# KiCad board Revision01.kicad_pcb (continued)
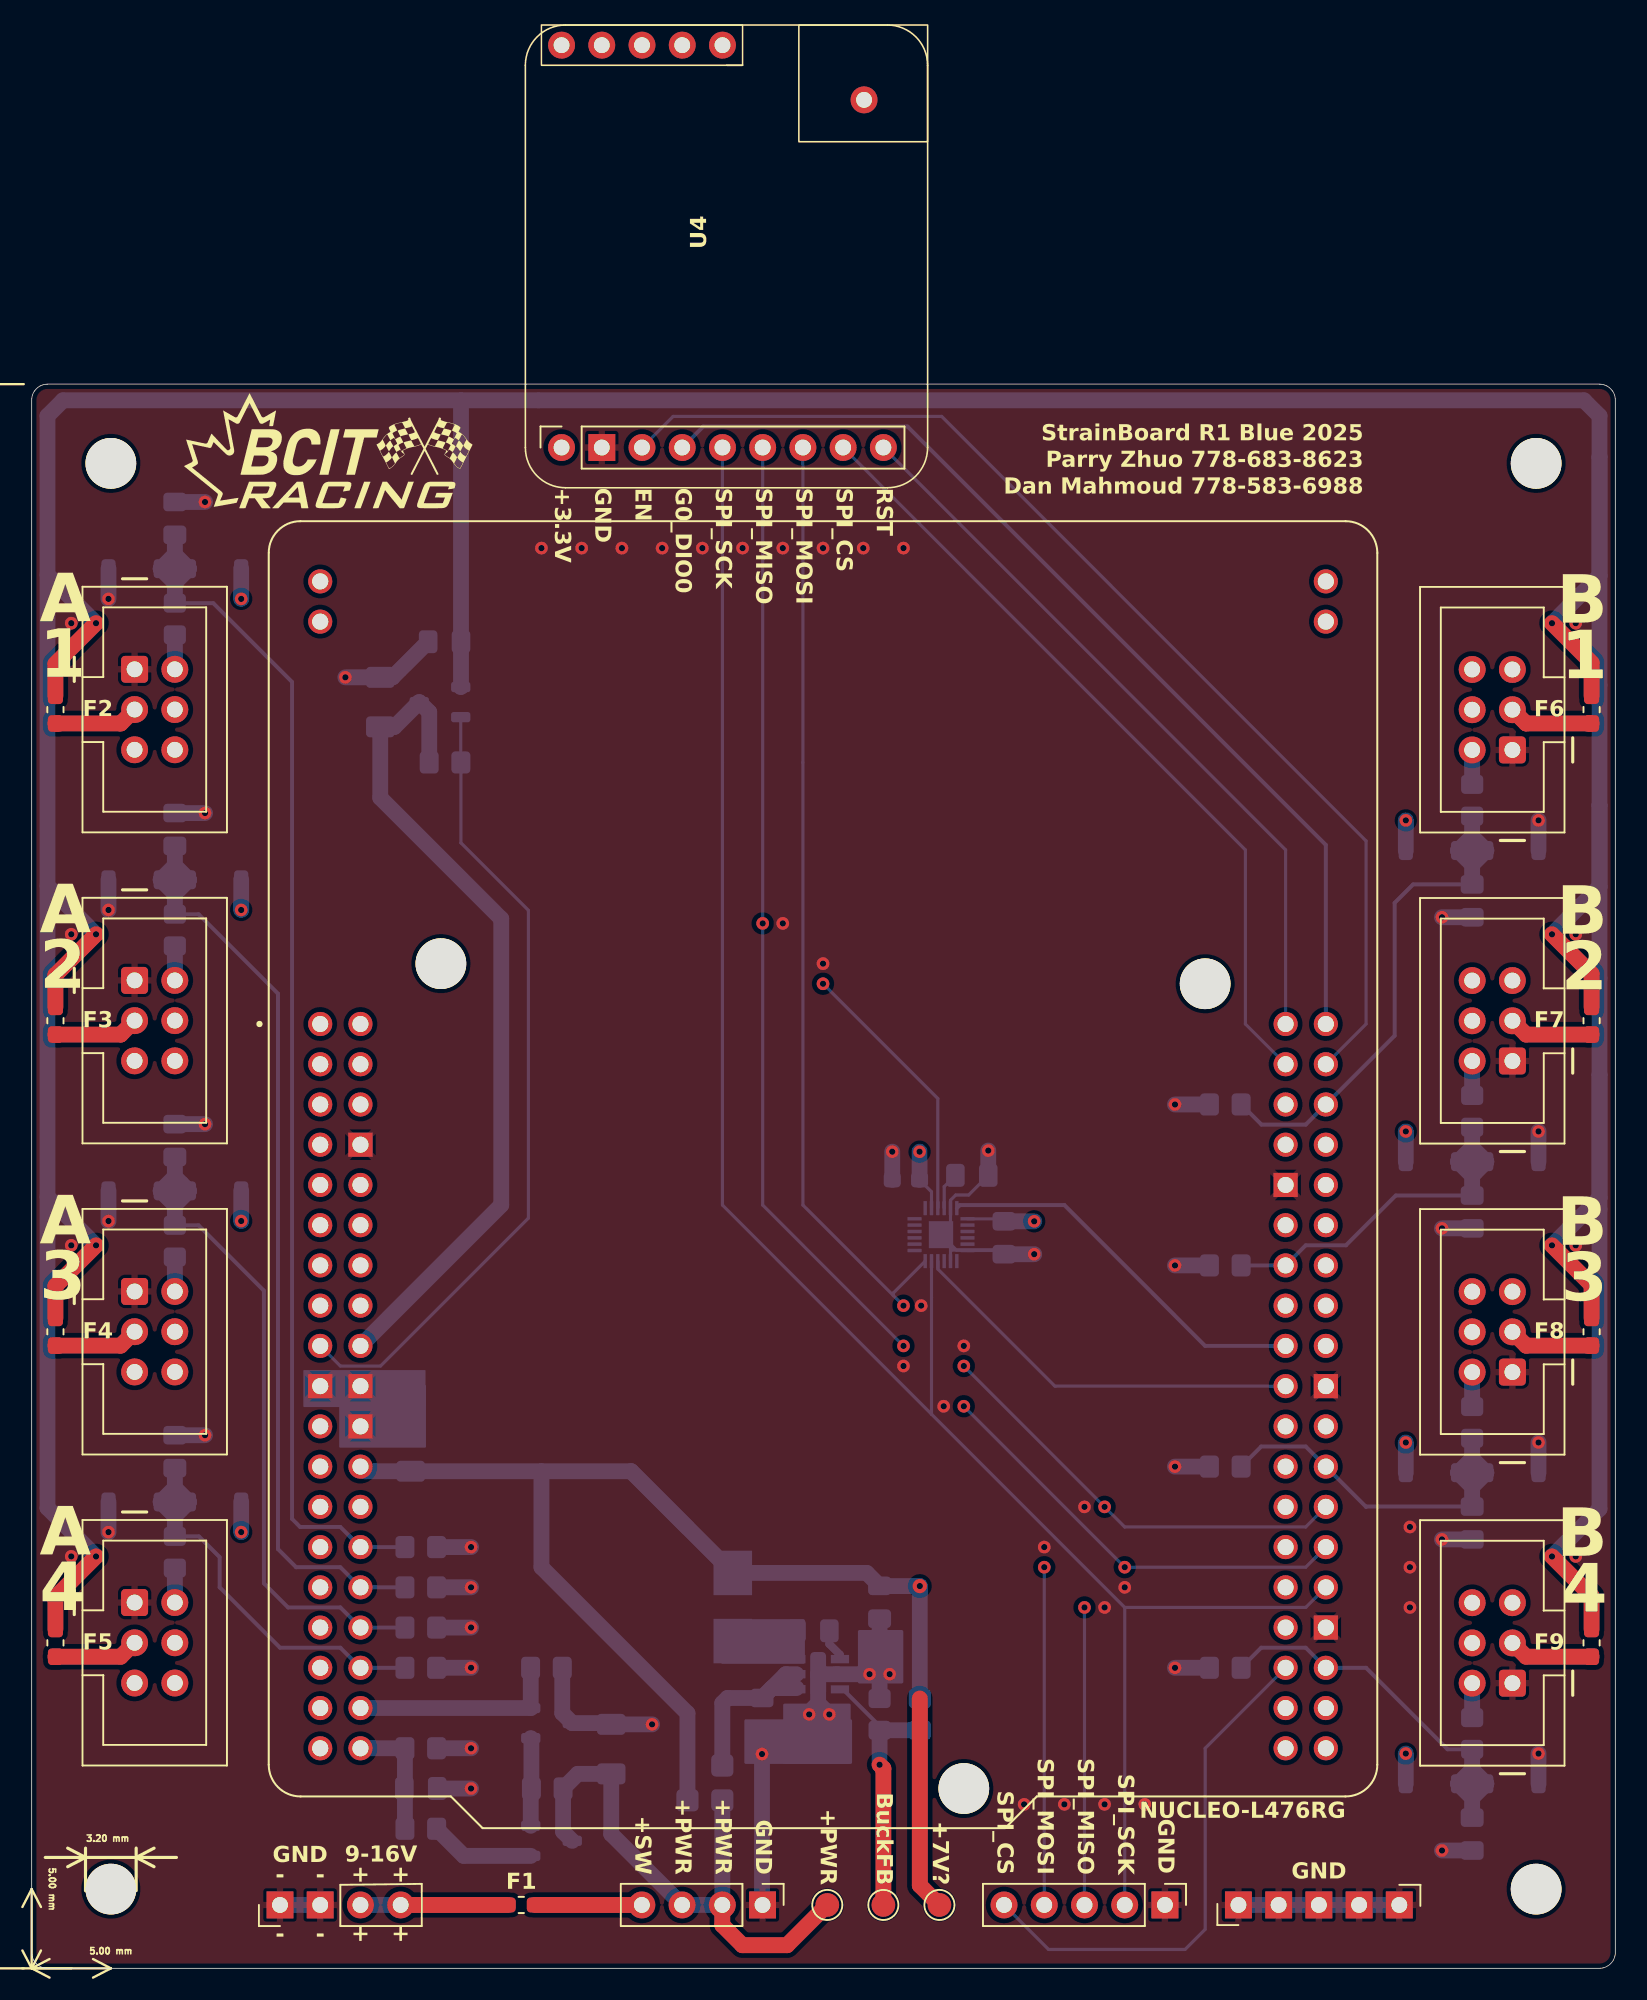
[diagram p0: board, top side]
## Library data of the parts (continued)
J20 = -: Description: Generic connector, single row, 01x04, script generated (kicad-library-utils/schlib/autogen/connector/); ki_fp_filters: Connector*:*_1x??_*
L1 = -: Datasheet: https://search.murata.co.jp/Ceramy/image/img/P02/JELF243A-9153.pdf; Description: FIXED IND 150UH 330MA 2.64OHM SM; Manufacturer: Murata Electronics; Manufacturer Part Number: LQH44PH151MPRL; Distributor Part Number: 490-LQH44PH151MPRLCT-ND - Cut Tape (CT); Detailed Description: 150 µH Shielded Drum Core, Wirewound Inductor 330 mA 2.64Ohm Max 1616 (4040 Metric); Distributor Link: https://www.digikey.com/en/products/detail/murata-electronics/LQH44PH151MPRL/11690210; Package: 1616 (4040 Metric); ki_fp_filters: Choke_* *Coil* Inductor_* L_*
Q1 = -: Datasheet: https://www.onsemi.com/pdf/datasheet/ntr1p02lt1-d.pdf; Description: MOSFET P-CH 20V 1.3A SOT23-3; Manufacturer: onsemi; Detailed Description: P-Channel 20V 1.3A 400mW SOT-23-3; Manufacturer Part Number: NVTR01P02LT1G; Distributor Link: https://www.digikey.ca/en/products/detail/onsemi/NVTR01P02LT1G/5969313?gclsrc=aw.ds&&utm_adgroup=General&utm_source=google&utm_medium=cpc&utm_campaign=PMax%20Shopping_Product_Zombie%20SKUs&utm_term=&productid=5969313&utm_content=General&utm_id=go_cmp-17855401585_adg-_ad-__dev-c_ext-_prd-5969313_sig-CjwKCAjwq7fABhB2EiwAwk-YbCdzxZ8I_ROXJb3JHufdx-zHWTW_khwVTeU3PeYqFBXyUwEnEgnIlhoCDXMQAvD_BwE&gad_source=1&gbraid=0AAAAADrbLli6YGlW8y5wc6i5rQyT2Z2qc&gclid=CjwKCAjwq7fABhB2EiwAwk-YbCdzxZ8I_ROXJb3JHufdx-zHWTW_khwVTeU3PeYqFBXyUwEnEgnIlhoCDXMQAvD_BwE&gclsrc=aw.ds; Distributor Part Number: NVTR01P02LT1GOSCT-ND; Package: TO-236-3, SC-59, SOT-23-3
Q2 = -: Datasheet: https://www.onsemi.com/pdf/datasheet/ntr4003n-d.pdf; Description: MOSFET N-CH 30V 500MA SOT23-3; Detailed Description: N-Channel 30V 500mA 690mW SOT-23-3; Manufacturer Part Number: NTR4003NT3G; Manufacturer: onsemi; Distributor Link: https://www.digikey.ca/en/products/detail/onsemi/NTR4003NT3G/1967271?gclsrc=aw.ds&&utm_adgroup=General&utm_source=google&utm_medium=cpc&utm_campaign=PMax%20Shopping_Product_Zombie%20SKUs&utm_term=&productid=1967271&utm_content=General&utm_id=go_cmp-17855401585_adg-_ad-__dev-c_ext-_prd-1967271_sig-CjwKCAjwq7fABhB2EiwAwk-YbFJqpYQlYIhkgtWqhIxcVob4GPSdEPXc6bIcNIfS9s96qRU90U7eOhoCR2AQAvD_BwE&gad_source=1&gbraid=0AAAAADrbLli6YGlW8y5wc6i5rQyT2Z2qc&gclid=CjwKCAjwq7fABhB2EiwAwk-YbFJqpYQlYIhkgtWqhIxcVob4GPSdEPXc6bIcNIfS9s96qRU90U7eOhoCR2AQAvD_BwE&gclsrc=aw.ds; Distributor Part Number: NTR4003NT3GOSCT-ND - Cut Tape (CT); Package: TO-236-3, SC-59, SOT-23-3
Q3 = -: Datasheet: https://www.diodes.com/assets/Datasheets/ZXMP10A13F.pdf; Description: MOSFET P-CH 100V 600MA SOT23-3; Manufacturer: Diodes Incorporated; Detailed Description: P-Channel 100 V 600mA (Ta) 625mW (Ta) Surface Mount SOT-23-3; Manufacturer Part Number: ZXMP10A13FTA; Distributor Link: https://www.digikey.ca/en/products/detail/diodes-incorporated/ZXMP10A13FTA/560644; Distributor Part Number: ZXMP10A13FTR-ND; Package: TO-236-3, SC-59, SOT-23-3
R1 = -: Datasheet: https://www.vishay.com/docs/20043/crcwhpe3.pdf; Description: RES SMD 0 OHM JUMPER 1/2W 0805; Detailed Description: 0 Ohms Jumper Chip Resistor 0805 (2012 Metric) Automotive AEC-Q200, Pulse Withstanding Thick Film; Distributor Link: https://www.digikey.com/en/products/detail/vishay-dale/CRCW08050000Z0EAHP/2222316; Distributor Part Number: 541-0.0TBCT-ND - Cut Tape (CT); Manufacturer: Vishay Dale; Manufacturer Part Number: CRCW08050000Z0EAHP; Package: 0805 (2012 Metric); ki_fp_filters: R_*
R3 = -: Datasheet: https://www.vishay.com/docs/20035/dcrcwe3.pdf; Description: RES SMD 76.8K OHM 1% 1/8W 0805; Manufacturer: Vishay Dale; Manufacturer Part Number: CRCW080576K8FKEA; Distributor Part Number: 541-76.8KCCT-ND - Cut Tape (CT); Detailed Description: 76.8 kOhms ±1% 0.125W, 1/8W Chip Resistor 0805 (2012 Metric) Automotive AEC-Q200 Thick Film; Distributor Link: https://www.digikey.com/en/products/detail/vishay-dale/CRCW080576K8FKEA/1175852; Package: 0805 (2012 Metric); ki_fp_filters: R_*
R4 = -: Datasheet: https://www.vishay.com/docs/28773/crcwce3.pdf; Description: RES 10K OHM 1% 1/8W 0805; Manufacturer Part Number: CRCW080510K0FKEAC; Distributor Link: https://www.digikey.com/en/products/detail/vishay-dale/CRCW080510K0FKEAC/7928398; Manufacturer: Vishay Dale; Distributor Part Number: 541-3976-1-ND - Cut Tape (CT); Detailed Description: 10 kOhms ±1% 0.125W, 1/8W Chip Resistor 0805 (2012 Metric) Thick Film; Package: 0805 (2012 Metric); ki_fp_filters: R_*
R5 R7 R8 = -: Datasheet: https://www.vishay.com/docs/20035/dcrcwe3.pdf; Description: RES SMD 10K OHM 1% 1/8W 0805; Manufacturer Part Number: CRCW080510K0FKEA; Distributor Link: https://www.digikey.ca/en/products/detail/vishay-dale/CRCW080510K0FKEA/1175751; Manufacturer: Vishay Dale; Distributor Part Number: 541-10.0KCCT-ND - Cut Tape (CT); Detailed Description: 10 kOhms ±1% 0.125W, 1/8W Chip Resistor 0805 (2012 Metric) Automotive AEC-Q200 Thick Film; Package: 0805 (2012 Metric); ki_fp_filters: R_*
R6 = -: Datasheet: https://www.vishay.com/docs/20035/dcrcwe3.pdf; Description: RES SMD 15K OHM 1% 1/8W 0805; Manufacturer Part Number: CRCW080515K0FKEA; Distributor Link: https://www.digikey.ca/en/products/detail/vishay-dale/CRCW080515K0FKEA/1175769; Manufacturer: Vishay Dale; Distributor Part Number: 541-15.0KCCT-ND - Cut Tape (CT); Detailed Description: 15 kOhms ±1% 0.125W, 1/8W Chip Resistor 0805 (2012 Metric) Automotive AEC-Q200 Thick Film; Package: 0805 (2012 Metric); ki_fp_filters: R_*
R9 = -: Datasheet: https://www.vishay.com/docs/20008/dcrcw.pdf; Description: RES SMD 5K OHM 1% 1/8W 0805; Manufacturer Part Number: CRCW08055K00FKTA; Distributor Link: https://www.digikey.ca/en/products/detail/vishay-dale/CRCW08055K00FKTA/5075661; Manufacturer: Vishay Dale; Distributor Part Number: 541-CRCW08055K00FKTACT-ND - Cut Tape (CT); Detailed Description: 5 kOhms ±1% 0.125W, 1/8W Chip Resistor 0805 (2012 Metric) Automotive AEC-Q200 Thick Film; Package: 0805 (2012 Metric); ki_fp_filters: R_*
R11 R13 R15 R17 R19 R21 R23 R25 = -: Datasheet: https://www.vishay.com/docs/20035/dcrcwe3.pdf; Description: RES SMD 150 OHM 1% 1/8W 0805; Manufacturer Part Number: CRCW0805150RFKEA; Distributor Link: https://www.digikey.ca/en/products/detail/vishay-dale/CRCW0805150RFKEA/1175541; Manufacturer: Vishay Dale; Distributor Part Number: 541-150CTR-ND; Detailed Description: 150 Ohms ±1% 0.125W, 1/8W Chip Resistor 0805 (2012 Metric) Automotive AEC-Q200 Thick Film; Package: 0805 (2012 Metric); ki_fp_filters: R_*
R12 R14 R16 R18 R20 R22 R24 R26 = -: Datasheet: https://www.vishay.com/docs/20035/dcrcwe3.pdf; Description: RES SMD 1M OHM 1% 1/8W 0805; Manufacturer: Vishay Dale; Manufacturer Part Number: CRCW08051M00FKEA; Distributor Link: https://www.digikey.ca/en/products/detail/vishay-dale/CRCW08051M00FKEA/1176016; Distributor Part Number: 541-1.00MCCT-ND - Cut Tape (CT); Detailed Description: 1 MOhms ±1% 0.125W, 1/8W Chip Resistor 0805 (2012 Metric) Automotive AEC-Q200 Thick Film; Package: 0805 (2012 Metric); ki_fp_filters: R_*
TP1 TP2 TP4 = -: Description: test point; ki_fp_filters: Pin* Test*
U1 = -: Datasheet: https://www.st.com/content/ccc/resource/technical/document/data_brief/c8/3c/30/f7/d6/08/4a/26/DM00105918.pdf/files/DM00105918.pdf/jcr:content/translations/en.DM00105918.pdf; Description: NUCLEO-64 STM32L476RG EVAL BRD; Distributor Link: https://www.digikey.ca/en/products/detail/stmicroelectronics/NUCLEO-L476RG/5347711; Distributor Part Number: 497-15881-ND; Detailed Description: STM32L476 Nucleo-64 STM32L4 ARM® Cortex®-M4 MCU 32-Bit Embedded Evaluation Board; Manufacturer: STMicroelectronics; Package: n/a
U2 = -: Datasheet: https://www.ti.com/lit/ds/symlink/lmr51606.pdf?ts=1704242784728&ref_url=https%253A%252F%252Fwww.ti.com%252Fproduct%252FLMR51606; Description: IC REG BUCK ADJ 600MA SOT23-6; Manufacturer: Texas Instruments; Manufacturer Part Number: LMR51606XDBVR; Distributor Part Number: 296-LMR51606XDBVRCT-ND - Cut Tape (CT); Detailed Description: Buck Switching Regulator IC Positive Adjustable 0.8V 1 Output 600mA SOT-23-6; Distributor Link: https://www.digikey.ca/en/products/detail/texas-instruments/LMR51606XDBVR; Package: SOT-23-6; ki_fp_filters: DBV0006A-MFG-IPC_A DBV0006A-MFG-IPC_B DBV0006A-MFG-IPC_C DBV0006A-MFG
U3 = -: Datasheet: https://invensense.tdk.com/wp-content/uploads/2020/06/PS-MPU-6500A-01-v1.3.pdf; Description: IMU ACCEL/GYRO 3-AXIS I2C 24QFN; Manufacturer: TDK InvenSense; Distributor Link: https://www.digikey.ca/en/products/detail/tdk-invensense/MPU-6500/4385413?gad_source=1&gad_campaignid=17336435733&gbraid=0AAAAADrbLli2X3rBYUnaU5farCoGk4chC&gclid=CjwKCAjwgb_CBhBMEiwA0p3oOGaB6BfzWoBCXH4woWaV_1k9_klLmADBx2K02ppnibgiPqFg6zX-RBoChAoQAvD_BwE&gclsrc=aw.ds; Distributor Part Number: 1428-1011-1-ND - Cut Tape (CT); Detailed Description: Accelerometer, Gyroscope, 6 Axis Sensor I2C, SPI Output; Package: 24-VFQFN Module Exposed Pad
U4 = -: Datasheet: https://cdn-learn.adafruit.com/downloads/pdf/adafruit-rfm69hcw-and-rfm96-rfm95-rfm98-lora-packet-padio-breakouts.pdf; Description: RFM69HCW TRANSCEIVER RADIO BREAK; Distributor Link: https://www.digikey.ca/en/products/detail/adafruit-industries-llc/3070/6005355?s=N4IgTCBcDaIIIBMCGAzATgVwJYBcAEAzAAwDsRIAugL5A; Distributor Part Number: 1528-1665-ND; Detailed Description: RFM69HCW - Transceiver 868MHz, 915MHz Evaluation Board; Manufacturer: Adafruit Industries LLC; Manufacturer Part Number: 3070; Qty Multiplier: 2; Package: Module

## Footprints (pads in the part's own frame, mm; a bottom-side part is the same pattern mirrored in y, then rotated)
Adafruit3070
  round 1.7 hole 1: 1(0,0) 10(25.4,0)
  rect 1.7x1.7 hole 1: 2(0,-2.54)
  oval 1.7x1.7 hole 1: 3(0,-5.08) 4(0,-7.62) 5(0,-10.16) 6(0,-12.7) 7(0,-15.24) 8(0,-17.78) 9(0,-20.32) 11(25.4,-2.54) 12(25.4,-5.08) 13(25.4,-7.62) 14(25.4,-10.16) 15(21.946,-19.101)
AdamTech_BHR-06-VUA
  rrect 1.7x1.7 hole 1: 1(0,0)
  round 1.7 hole 1: 2(2.54,0) 3(0,-2.54) 4(2.54,-2.54) 5(0,-5.08) 6(2.54,-5.08)
Battery_PinHeader_1x04_P2.54mm_Vertical
  rect 1.7x1.7 hole 1: 1(0,0) 2(0,-2.54)
  oval 1.7x1.7 hole 1: 3(0,-5.08) 4(0,-7.62)
BatterySwitch_PinHeader_1x04_P2.54mm_Vertical
  rect 1.7x1.7 hole 1: 1(0,0)
  oval 1.7x1.7 hole 1: 2(0,-2.54) 3(0,-5.08) 4(0,-7.62)
C_0603_1608Metric_Pad1.08x0.95mm_HandSolder
  rrect 1.075x0.95 smd: 1(-0.863,0) 2(0.863,0)
C_0805_2012Metric_Pad1.18x1.45mm_HandSolder
  rrect 1.175x1.45 smd: 1(-1.038,0) 2(1.038,0)
C_1206_3216Metric_Pad1.33x1.80mm_HandSolder
  rrect 1.325x1.8 smd: 1(-1.562,0) 2(1.562,0)
D_SOD-123
  rrect 0.9x1.2 smd: 1(-1.65,0) 2(1.65,0)
Fuse_0603_1608Metric_Pad1.05x0.95mm_HandSolder
  rrect 1.05x0.95 smd: 1(-0.875,0) 2(0.875,0)
GND_PinHeader_1x05_P2.54mm_Vertical
  rect 1.7x1.7 hole 1: 1(0,0) 2(0,-2.54) 3(0,-5.08) 4(0,-7.62) 5(0,-10.16)
LMR51603XFDBVR_DBV0006A-MFG-IPC_C
  rect 1.153x0.53 smd: 1(-1.377,0.95) 4(1.377,-0.95) 5(1.377,0) 6(1.377,0.95)
  rect 1.553x0.53 smd: 2(-1.177,0)
  rrect 1x2.8 smd: 2(0,0)
  rect 1.153x0.515 smd: 3(-1.377,-0.957)
LQH44PH151MPRL_IND_LQH44PN_PR_MUR-M
  rect 2.807x2.438 smd: 1(-2.153,0) 2(2.153,0)
MODULE_NUCLEO-L476RG
  round 3.2 hole 3.2 unplated: (7.62,3.81) (40.64,-48.26) (55.88,2.54)
  round 1.524 hole 1.016: CN7_1(0,0) CN7_2(2.54,0) CN7_3(0,-2.54) CN7_4(2.54,-2.54) CN7_5(0,-5.08) CN7_6(2.54,-5.08) CN7_7(0,-7.62) CN7_9(0,-10.16) CN7_10(2.54,-10.16) CN7_11(0,-12.7) CN7_12(2.54,-12.7) CN7_13(0,-15.24) CN7_14(2.54,-15.24) CN7_15(0,-17.78) CN7_16(2.54,-17.78) CN7_17(0,-20.32) CN7_18(2.54,-20.32) CN7_21(0,-25.4) CN7_23(0,-27.94) CN7_24(2.54,-27.94) CN7_25(0,-30.48) CN7_26(2.54,-30.48) CN7_27(0,-33.02) CN7_28(2.54,-33.02) CN7_29(0,-35.56) CN7_30(2.54,-35.56) CN7_31(0,-38.1) CN7_32(2.54,-38.1) CN7_33(0,-40.64) CN7_34(2.54,-40.64) CN7_35(0,-43.18) CN7_36(2.54,-43.18) CN7_37(0,-45.72) CN7_38(2.54,-45.72) CN10_1(60.96,0) CN10_2(63.5,0) CN10_3(60.96,-2.54) CN10_4(63.5,-2.54) CN10_5(60.96,-5.08) CN10_6(63.5,-5.08) CN10_7(60.96,-7.62) CN10_8(63.5,-7.62) CN10_10(63.5,-10.16) CN10_11(60.96,-12.7) CN10_12(63.5,-12.7) CN10_13(60.96,-15.24) CN10_14(63.5,-15.24) CN10_15(60.96,-17.78) CN10_16(63.5,-17.78) CN10_17(60.96,-20.32) CN10_18(63.5,-20.32) CN10_19(60.96,-22.86) CN10_21(60.96,-25.4) CN10_22(63.5,-25.4) CN10_23(60.96,-27.94) CN10_24(63.5,-27.94) CN10_25(60.96,-30.48) CN10_26(63.5,-30.48) CN10_27(60.96,-33.02) CN10_28(63.5,-33.02) CN10_29(60.96,-35.56) CN10_30(63.5,-35.56) CN10_31(60.96,-38.1) CN10_33(60.96,-40.64) CN10_34(63.5,-40.64) CN10_35(60.96,-43.18) CN10_36(63.5,-43.18) CN10_37(60.96,-45.72) CN10_38(63.5,-45.72) CN11_1(63.5,27.94) CN11_2(63.5,25.4) CN12_1(0,27.94) CN12_2(0,25.4)
  rect 1.524x1.524 hole 1.016: CN7_8(2.54,-7.62) CN7_19(0,-22.86) CN7_20(2.54,-22.86) CN7_22(2.54,-25.4) CN10_9(60.96,-10.16) CN10_20(63.5,-22.86) CN10_32(63.5,-38.1)
MountingHole_3.2mm_M3
  round 3.2 hole 3.2 unplated: (0,0)
MPU-6500_QFN40P300X300X95-25N
  rrect 0.894x0.22 smd: 1(-1.672,1) 2(-1.672,0.6) 3(-1.672,0.2) 4(-1.672,-0.2) 5(-1.672,-0.6) 6(-1.672,-1) 13(1.672,-1) 14(1.672,-0.6) 15(1.672,-0.2) 16(1.672,0.2) 17(1.672,0.6) 18(1.672,1)
  rrect 0.22x0.894 smd: 7(-1,-1.672) 8(-0.6,-1.672) 9(-0.2,-1.672) 10(0.2,-1.672) 11(0.6,-1.672) 12(1,-1.672) 19(1,1.672) 20(0.6,1.672) 21(0.2,1.672) 22(-0.2,1.672) 23(-0.6,1.672) 24(-1,1.672)
  rect 1.54x1.7 smd: 25(0,0)
R_0805_2012Metric_Pad1.20x1.40mm_HandSolder
  rrect 1.2x1.4 smd: 1(-1,0) 2(1,0)
SPIExtra_PinHeader_1x05_P2.54mm_Vertical
  rect 1.7x1.7 hole 1: 1(0,0)
  oval 1.7x1.7 hole 1: 2(0,-2.54) 3(0,-5.08) 4(0,-7.62) 5(0,-10.16)
TestPoint_Pad_D1.5mm
  round 1.5 smd: 1(0,0)
TSOT-23
  rrect 1.22x0.65 smd: 1(-1.31,0.95) 2(-1.31,-0.95) 3(1.31,0)
ZeroOhmSwitch_R_0805_2012Metric_Pad1.20x1.40mm_HandSolder
  rrect 1.4x1.4 smd: 1(0,0) 2(2.2,0) 3(0,-2.2)

## Nets
+3.3V: C10.1 C12.1 D1.1 D3.1 D5.1 D7.1 D9.1 D11.1 D13.1 D15.1 U1.CN7_5 U1.CN7_16 U3.8 U3.13 U4.1
+5V: C1.1 Q3.3 R8.2 U1.CN7_18
+VBattery: C19.1 J3.2 J3.3 Q1.3 R1.1 R5.2 TP1.1
+VBattery_or_7V: C4.1 C5.1 L1.2 R1.3 R3.2 TP4.1 U1.CN7_24
GND: C1.2 C2.2 C4.2 C5.2 C6.2 C7.2 C8.2 C9.2 C10.2 C11.2 C12.2 C13.2 C14.1 C15.2 C16.2 C17.2 C18.2 C19.2 D2.2 D4.2 D6.2 D8.2 D10.2 D12.2 D14.2 D16.2 J3.1 J4.1 J5.1 J5.2 J5.3 J5.4 J5.5 J6.1 J7.1 J8.1 J9.1 J10.1 J11.1 J12.1 J13.1 J20.1 J20.2 Q2.3 R4.1 R7.1 R9.1 R12.2 R14.2 R16.2 R18.2 R20.2 R22.2 R24.2 R26.2 U1.CN7_8 U1.CN7_19 U1.CN7_20 U1.CN7_22 U1.CN10_9 U1.CN10_20 U1.CN10_32 U2.2 U3.11 U3.18 U3.20 U3.25 U4.2
/AIn_BatteryV: C6.1 R6.1 R9.2 U1.CN7_38
/AIn_StrainV_1: C8.1 D1.2 D2.1 R11.1 R12.1 U1.CN7_28
/AIn_StrainV_2: C9.1 D3.2 D4.1 R13.1 R14.1 U1.CN7_30
/AIn_StrainV_3: C11.1 D5.2 D6.1 R15.1 R16.1 U1.CN7_32
/AIn_StrainV_4: C13.1 D7.2 D8.1 R17.1 R18.1 U1.CN7_34
/AIn_StrainV_5: C15.1 D9.2 D10.1 R19.1 R20.1 U1.CN10_6
/AIn_StrainV_6: C16.1 D11.2 D12.1 R21.1 R22.1 U1.CN10_13
/AIn_StrainV_7: C17.1 D13.2 D14.1 R23.1 R24.1 U1.CN10_24
/AIn_StrainV_8: C18.1 D15.2 D16.1 R25.1 R26.1 U1.CN10_34
/BuckFB: R3.1 R4.2 TP2.1 U2.3
/BuckSW: C3.2 L1.1 U2.6
/GPInterruptPB6_MPU: U1.CN10_17 U3.12
/GPInterruptPC8_ANT_DIO0: U1.CN10_2 U4.4
/GPIO_ANT_Enable: U1.CN10_4 U4.3
/GPIO_ANT_Reset: U1.CN10_1 U4.9
/GPIO_ANT_SPI_CS: U1.CN10_3 U4.8
/GPIO_BatteryV_Enable: Q2.2 R7.2 U1.CN7_36
/GPIO_Extra_SPI_CS: J4.5 U1.CN10_33
/SPI2_MISO: J4.3 U1.CN10_28 U3.9 U4.6
/SPI2_MOSI: J4.4 U1.CN10_26 U3.24 U4.7
/SPI2_SCK: J4.2 U1.CN10_30 U3.23 U4.5
/~{GPIO_MPU_SPI_CS}: U1.CN10_19 U3.22
/~{GPIO_StrainV_Enable_5VTolerant}: Q3.2 R8.1 U1.CN7_17
Net-(J3-Pin_4): F1.2 J3.4
Net-(J6-Pin_2): J6.2 R11.2
Net-(J6-Pin_3): F2.2 J6.3
Net-(J7-Pin_2): J7.2 R13.2
Net-(J7-Pin_3): F3.2 J7.3
Net-(J8-Pin_2): J8.2 R15.2
Net-(J8-Pin_3): F4.2 J8.3
Net-(J9-Pin_2): J9.2 R17.2
Net-(J9-Pin_3): F5.2 J9.3
Net-(J10-Pin_2): J10.2 R19.2
Net-(J10-Pin_3): F6.2 J10.3
Net-(J11-Pin_2): J11.2 R21.2
Net-(J11-Pin_3): F7.2 J11.3
Net-(J12-Pin_2): J12.2 R23.2
Net-(J12-Pin_3): F8.2 J12.3
Net-(J13-Pin_2): J13.2 R25.2
Net-(J13-Pin_3): F9.2 J13.3
Net-(J20-Pin_3): F1.1 J20.3 J20.4
Net-(Q1-D): Q1.1 R6.2
Net-(Q1-G): Q1.2 Q2.1 R5.1
Net-(Q3-D): C7.1 F2.1 F3.1 F4.1 F5.1 F6.1 F7.1 F8.1 F9.1 Q3.1
Net-(U2-CB): C3.1 U2.1
Net-(U2-EN): C2.1 R1.2 U2.4 U2.5
Net-(U3-REGOUT): C14.2 U3.10

Pads without a net: J6 4 5 6; J7 4 5 6; J8 4 5 6; J9 4 5 6; J10 4 5 6; J11 4 5 6; J12 4 5 6; J13 4 5 6; U1 CN7_1 CN7_2 CN7_3 CN7_4 CN7_6 CN7_7 CN7_9 CN7_10 CN7_11 CN7_12 CN7_13 CN7_14 CN7_15 CN7_21 CN7_23 CN7_25 CN7_26 CN7_27 CN7_29 CN7_31 CN7_33 CN7_35 CN7_37 CN10_5 CN10_7 CN10_8 CN10_10 CN10_11 CN10_12 CN10_14 CN10_15 CN10_16 CN10_18 CN10_21 CN10_22 CN10_23 CN10_25 CN10_27 CN10_29 CN10_31 CN10_35 CN10_36 CN10_37 CN10_38 CN11_1 CN11_2 CN12_1 CN12_2; U3 1 2 3 4 5 6 7 14 15 16 17 19 21; U4 10 11 12 13 14 15

## Via types
v1: diameter 0.8, hole 0.4, Top to Bottom, 99 vias
v2: diameter 0.9, hole 0.4, Top to Bottom, 2 vias

## Routing (per net, layer and track width the routed paths; a pad name or vN(x,y) marks a point on that pad's centre or on a via; arc(x,y) is an arc through that point)
+3.3V: length 23.4
  Bottom w0.2: C10.1 61.24,47.31 U3.13 ; C12.1 56.82,49.02 U3.8
  Bottom w1: D1.1 v1(13.23,86.45) ; D9.1 v1(86.77,72.47) ; D11.1 v1(86.77,52.83) ; D15.1 v1(86.77,13.56) ; C10.1 v1(63.31,47.15) ; v1(86.77,33.19) D13.1 ; D3.1 v1(13.23,66.81) ; D5.1 v1(13.23,47.17) ; D7.1 v1(13.23,27.54) ; C12.1 v1(56.07,51.55)
+5V: length 53.9
  Bottom w1: C1.1 22.91,78.37 Q3.3 25.1,79.3 R8.2 ; C1.1 22.01,73.89 29.65,66.25 29.65,48.18 U1.CN7_18 ; C1.1 22.86,78.37
+VBattery: length 35.7
  Top w1: J3.2 43.61,2.73 44.88,1.46 47.7,1.46 TP1.1
  Bottom w1: Q1.3 33.56,8.63 R5.2 34.48,12.27 C19.1 36.59,8.48 J3.3 J3.2 R1.1
+VBattery_or_7V: length 88.7
  Top w1: TP4.1 56.08,5.24 R3.2
  Bottom w1: 32.19,31.38 32.19,25.32 41.41,16.1 R1.3 ; 32.19,31.38 37.85,31.38 ; 32.19,31.38 C5.1 21.05,31.38 U1.CN7_24 ; 37.85,31.38 L1.2 52.73,24.96 C4.1 53.56,24.13 v2(56.08,24.13) R3.2 ; 37.85,31.38 41.41,27.82
GND: length 144.2
  In1.Cu w0.2: v1(69.02,24.05) v1(67.75,22.78) ; v1(66.48,29.13) v1(63.94,26.59) ; v1(58.86,39.29) 58.71,39.29 v1(56.17,41.83) ; v1(49.97,63.42) v1(47.43,65.96) ; v1(55.05,38.02) v1(57.59,35.48)
  Bottom w0.2: 61.14,45.34 58.39,45.34 U3.25 ; 61.14,45.34 58.13,45.34 58.02,45.45 ; 61.14,45.34 C10.2 61.17,45.31 U3.18 ; C14.1 59.17,48.82 58.35,48.82 58.02,48.48 U3.11 58.02,46.91 U3.25 ; U3.25 58.02,45.71 58.02,45.45 ; 58.02,45.45 U3.20
  Bottom w1: v1(19.81,81.49) C1.2 22.79,81.49 C7.2 ; D12.2 v1(95.15,52.83) ; R9.1 v1(27.75,13.89) ; C17.2 v1(89.06,27.07) ; v1(39.17,15.4) C19.2 36.51,15.48 Q2.3 33.5,16.11 R7.1 ; R20.2 v1(72.2,54.53) ; D6.2 v1(4.85,47.17) ; C11.2 v1(10.95,53.29) ; v1(10.95,92.56) C8.2 ; C10.2 v1(63.31,45.08) ; D8.2 v1(4.85,27.54) ; v1(60.41,51.62) C14.1 ; C2.2 46.12,4 ; v1(89.06,66.35) C15.2 ; D14.2 v1(95.15,33.19) ; R26.2 v1(72.2,18.97) ; C12.2 v1(54.34,51.55) ; D4.2 v1(4.85,66.81) ; v1(49.1,16.03) 49.1,16.17 49.66,16.73 ; J20.1 J20.2 ; C9.2 v1(10.95,72.93) ; D16.2 v1(95.15,13.56) ; 49.66,16.73 U2.2 U2.2 v1(52.91,18.57) ; 49.66,16.73 v1(50.37,16.03) ; C18.2 v1(89.06,7.44) ; J5.5 J5.1 ; R18.2 v1(27.75,18.97) ; v1(89.06,46.71) C16.2 ; C6.2 v1(27.75,11.35) ; R24.2 v1(72.2,31.67) ; C5.2 23.94,36.75 ; v1(10.95,33.65) C13.2 ; R22.2 v1(72.2,44.37) ; R12.2 v1(27.75,26.59) ; D2.2 v1(4.85,86.45) ; D10.2 v1(95.15,72.47) ; C4.2 R4.1 ; R14.2 v1(27.75,24.05) ; R16.2 v1(27.75,21.51)
  vias: v1(2.5,84.91) v1(2.5,65.27) v1(2.5,45.64) v1(2.5,26) v1(32.19,89.65) v1(34.73,89.65) v1(37.27,89.65) v1(39.81,89.65) v1(42.35,89.65) v1(44.89,89.65) v1(46.12,13.53) v1(47.43,89.65) v1(49.97,89.65) v1(52.51,89.65) v1(54.18,18.57) v1(55.05,89.65) v1(62.67,10.35) v1(65.21,10.35) v1(67.75,10.35) v1(70.29,10.35) v1(87.03,27.86) v1(87.03,25.32) v1(87.03,22.78) v1(97.5,84.91) v1(97.5,65.27) v1(97.5,45.64) v1(97.5,26)
/AIn_BatteryV: length 7.9
  Bottom w1: U1.CN7_38 R9.2 R6.1
/AIn_StrainV_1: length 79.5
  Bottom w0.25: R12.1 U1.CN7_28 19.49,27.86 16.95,27.86 16.44,28.37 16.44,81.2 11.47,86.18 R11.1
  Bottom w1: 9.04,89.24 D2.1 ; 9.04,89.24 C8.1 ; 9.04,89.24 D1.2 ; D2.1 D1.2 ; D2.1 9.04,87.46 ; D1.2 9.04,87.46 ; 9.04,87.46 R11.1
/AIn_StrainV_2: length 62
  Bottom w0.25: R14.1 U1.CN7_30 19.49,25.32 16.7,25.32 15.55,26.46 15.55,61.53 10.54,66.54 R13.1
  Bottom w1: 9.04,67.82 D3.2 ; 9.04,67.82 R13.1 ; 9.04,67.82 D4.1 ; D3.2 9.04,69.6 ; D3.2 D4.1 ; 9.04,69.6 C9.1 ; 9.04,69.6 D4.1
/AIn_StrainV_3: length 45.2
  Bottom w0.25: R15.1 10.54,46.9 14.66,42.78 14.66,24.3 16.19,22.78 19.49,22.78 U1.CN7_32 R16.1
  Bottom w1: C11.1 9.04,49.97 ; 9.04,49.97 D5.2 ; 9.04,49.97 D6.1 ; D5.2 D6.1 ; D5.2 9.04,48.19 ; D6.1 9.04,48.19 ; 9.04,48.19 R15.1
/AIn_StrainV_4: length 28.4
  Bottom w0.25: R18.1 U1.CN7_34 19.49,20.24 15.68,20.24 11.87,24.05 11.87,25.96 10.56,27.27 R17.1
  Bottom w1: 9.04,30.33 D8.1 ; 9.04,30.33 D7.2 ; 9.04,30.33 C13.1 ; D8.1 9.04,28.55 ; D8.1 D7.2 ; 9.04,28.55 D7.2 ; 9.04,28.55 R17.1
/AIn_StrainV_5: length 35.7
  Bottom w0.25: R20.1 76.39,54.53 77.66,53.26 80.45,53.26 U1.CN10_6 86.06,58.87 86.06,67.26 87.23,68.42 C15.1
  Bottom w1: C15.1 90.96,69.67 ; 90.96,69.67 D9.2 ; 90.96,69.67 D10.1 ; D9.2 D10.1 ; D9.2 90.96,71.45 ; D10.1 90.96,71.45 ; R19.1 90.96,71.45
/AIn_StrainV_6: length 25.8
  Bottom w0.25: R22.1 U1.CN10_13 80.45,45.64 82.99,45.64 86.14,48.79 C16.1
  Bottom w1: 90.96,50.03 D11.2 ; 90.96,50.03 C16.1 ; 90.96,50.03 D12.1 ; D11.2 90.96,51.81 ; D11.2 D12.1 ; 90.96,51.81 D12.1 ; 90.96,51.81 R21.1
/AIn_StrainV_7: length 26
  Bottom w0.25: R24.1 77.64,32.94 80.45,32.94 U1.CN10_24 84.26,29.13 84.28,29.15 C17.1
  Bottom w1: 90.96,30.4 D14.1 ; 90.96,30.4 C17.1 ; 90.96,30.4 D13.2 ; D14.1 90.96,32.18 ; D14.1 D13.2 ; 90.96,32.18 R23.1 ; 90.96,32.18 D13.2
/AIn_StrainV_8: length 27.1
  Bottom w0.25: R26.1 77.64,20.24 80.45,20.24 U1.CN10_34 84.26,18.97 89.41,13.83 R25.1
  Bottom w1: 90.96,12.54 D16.1 ; 90.96,12.54 D15.2 ; 90.96,12.54 R25.1 ; D16.1 D15.2 ; D16.1 90.96,10.76 ; 90.96,10.76 D15.2 ; 90.96,10.76 C18.1
/BuckFB: length 17.4
  Top w1: v2(53.54,12.85) 53.78,12.61 TP2.1
  Bottom w0.25: U2.3 51.22,17.61 53.54,15.29 R4.2
  Bottom w1: R3.1 R4.2 v2(53.54,12.85)
/GPInterruptPB6_MPU: length 24.5
  Bottom w0.25: U3.12 58.62,48.18 65.21,48.18 74.1,39.29 U1.CN10_17
/GPInterruptPC8_ANT_DIO0: length 63.4
  Bottom w0.25: U1.CN10_2 81.72,70.91 55.3,97.33 42.41,97.33 U4.4
/GPIO_ANT_Enable: length 72.8
  Bottom w0.2: U4.3 40.5,97.96 57.46,97.96 84.26,71.17 84.26,59.61 U1.CN10_4
/GPIO_ANT_Reset: length 46.9
  Bottom w0.2: U1.CN10_1 79.18,70.6 U4.9
/GPIO_ANT_SPI_CS: length 50.5
  Bottom w0.2: U4.8 76.64,70.6 76.64,59.61 U1.CN10_3
/GPIO_BatteryV_Enable: length 13.3
  Bottom w1: R7.2 31.52,18.96 Q2.2 U1.CN7_36
/GPIO_Extra_SPI_CS: length 33
  Bottom w0.2: J4.5 64.21,1.19 72.83,1.19 74.1,2.46 74.1,13.89 U1.CN10_33
/SPI2_MISO: length 138.3
  In1.Cu w0.2: v1(55.05,39.29) v1(58.86,35.48) ; v1(46.16,65.96) v1(49.97,62.15) ; v1(69.02,25.32) v1(66.48,22.78)
  Bottom w0.2: v1(49.97,62.15) 57.22,54.9 U3.9 ; U4.6 v1(46.16,65.96) 46.16,48.18 v1(55.05,39.29) ; U1.CN10_28 80.45,25.32 v1(69.02,25.32) v1(58.86,35.48) ; v1(66.48,22.78) J4.3
/SPI2_MOSI: length 119.5
  In1.Cu w0.2: v1(55.05,41.83) v1(58.86,38.02) ; v1(63.94,25.32) v1(67.75,29.13)
  Bottom w0.2: J4.4 v1(63.94,25.32) ; 54.42,42.47 v1(55.05,41.83) ; 54.42,42.47 48.7,48.18 U4.7 ; 54.42,42.47 54.42,42.64 U3.24 ; v1(58.86,38.02) 69.02,27.86 80.45,27.86 U1.CN10_26
/SPI2_SCK: length 125.4
  Bottom w0.2: U4.5 43.62,48.18 56.82,34.98 ; U1.CN10_30 80.45,22.78 69.02,22.78 ; 56.82,34.98 U3.23 ; 56.82,34.98 69.02,22.78 ; 69.02,22.78 J4.2
/~{GPIO_MPU_SPI_CS}: length 25.5
  Bottom w0.2: U3.22 57.22,44.14 64.61,36.75 U1.CN10_19
/~{GPIO_StrainV_Enable_5VTolerant}: length 50.9
  Bottom w0.2: U1.CN7_17 19.49,38.02 22.03,38.02 31.36,47.35 31.36,66.79 27.1,71.05 R8.1 27.09,76.13 Q3.2
Net-(J3-Pin_4): length 6.7
  Top w1: F1.2 J3.4
Net-(J6-Pin_2): length 2.2
  Bottom w1: R11.2 J6.2
Net-(J6-Pin_3): length 5.4
  Top w1: J6.3 5.62,78.58 F2.2
Net-(J7-Pin_2): length 2.2
  Bottom w1: J7.2 R13.2
Net-(J7-Pin_3): length 5.4
  Top w1: F3.2 5.62,58.94 J7.3
Net-(J8-Pin_2): length 2.2
  Bottom w1: R15.2 J8.2
Net-(J8-Pin_3): length 5.4
  Top w1: J8.3 5.62,39.31 F4.2
Net-(J9-Pin_2): length 2.2
  Bottom w1: R17.2 J9.2
Net-(J9-Pin_3): length 5.4
  Top w1: J9.3 5.62,19.67 F5.2
Net-(J10-Pin_2): length 2.2
  Bottom w1: J10.2 R19.2
Net-(J10-Pin_3): length 5.4
  Top w1: J10.3 94.37,78.58 F6.2
Net-(J11-Pin_2): length 2.2
  Bottom w1: J11.2 R21.2
Net-(J11-Pin_3): length 5.4
  Top w1: F7.2 94.37,58.94 J11.3
Net-(J12-Pin_2): length 2.2
  Bottom w1: J12.2 R23.2
Net-(J12-Pin_3): length 5.4
  Top w1: F8.2 94.37,39.31 J12.3
Net-(J13-Pin_2): length 2.2
  Bottom w1: J13.2 R25.2
Net-(J13-Pin_3): length 5.4
  Top w1: F9.2 94.37,19.67 J13.3
Net-(J20-Pin_3): length 9.3
  Top w1: F1.1 J20.4
  Bottom w1: J20.4 J20.3
Net-(Q1-D): length 6.7
  Bottom w1: R6.2 27.28,7.1 Q1.1
Net-(Q1-G): length 5.6
  Bottom w1: Q1.2 31.52,11.31 R5.1 31.56,14.49 Q2.1
Net-(Q3-D): length 354.6
  Top w1: F5.1 1.5,23.44 v1(4.06,26) ; v1(96,26) 98.5,23.5 F9.1 ; F6.1 98.5,82.41 v1(96,84.91) ; F8.1 98.5,43.14 v1(96,45.64) ; F2.1 1.5,82.35 v1(4.06,84.91) ; F4.1 1.5,43.07 v1(4.06,45.64) ; v1(4.06,65.27) 1.5,62.71 F3.1 ; F7.1 98.5,62.77 v1(96,65.27)
  Bottom w1: 99,73.41 99,56.41 ; 99,73.41 99,68.27 v1(96,65.27) ; 99,73.41 99,95.41 ; v1(96,26) 99,29 99,56.41 ; 99,95.41 99,98 98.02,98.98 27.11,98.98 ; 99,95.41 99,87.91 v1(96,84.91) ; 27.11,98.98 C7.1 27.11,80.9 Q3.1 ; 27.11,98.98 1.98,98.98 1,98 1,29.06 v1(4.06,26) ; 99,56.41 99,48.64 v1(96,45.64) ; v1(4.06,45.64) 1,48.7 ; v1(4.06,84.91) 1,87.97 ; v1(4.06,65.27) 1,68.34
Net-(U2-CB): length 2.1
  Bottom w0.5: U2.1 51.04,19.8 50.37,20.47 50.37,20.48 C3.1
Net-(U2-EN): length 11.8
  Bottom w1: C2.1 47.62,18.57 U2.5 ; C2.1 43.94,17.07 43.61,16.73 R1.2 ; C2.1 46.74,17.69 48.29,17.69
Net-(U3-REGOUT): length 2.4
  Bottom w0.2: U3.10 57.62,49.34 C14.2

## Copper pours and planes (outline as drawn; the poured copper is in the pictures)
+3.3V on In1.Cu: -12,-12 112,-12 112,112 -12,112
GND on Top: 105,105 -5,105 -5,-5 105,-5
GND on In2.Cu: -15,-15 115,-15 115,115 -15,115

## Text on the board
B.Silkscreen: GND | 1 | 2 | 3 | 4 | B | A
F.Silkscreen: GND | NUCLEO-L476RG | +PWR | BuckFB | +7V? | 1 | 2 | 3 | 4 | A | B | StrainBoard R1 Blue 2025 / Parry Zhuo 778-683-8623 / Dan Mahmoud 778-583-6988
User.9: { / "ViaStitching": "0.2", / "Antenna Ground Plane": { / "HSpacing": "1", / "VSpacing": "1", / "HOffset": "0", / "VOffset": "0", / "Clearance": "0", / "Randomize": false / } / } | { / "ViaStitching": "0.2", / "Antenna Ground Plane": { / "HSpacing": "1", / "VSpacing": "1", / "HOffset": "0", / "VOffset": "0", / "Clearance": "10", / "Randomize": false / } / } | { / "ViaStitching": "0.2", / "Antenna Ground Plane": { / "HSpacing": "1", / "VSpacing": "1", / "HOffset": "0", / "VOffset": "0", / "Clearance": "2.5", / "Randomize": false / } / } | { / "ViaStitching": "0.2", / "Antenna Ground Plane": { / "HSpacing": "1", / "VSpacing": "1", / "HOffset": "0", / "VOffset": "0", / "Clearance": "5", / "Randomize": false / } / }
